# Altium PCB BaseBoard.PcbDoc (part 3 of 3)
Units mil, origin at the board's own origin, x right, y up, seen from the top; angles counter-clockwise.
Board outline 12520.21 x 6221 mil, 4 copper layers (Top Layer, GND, Power, Bottom Layer), stack 30.634 mil thick; 237 components, 165 nets, 882 pads, 366 vias.
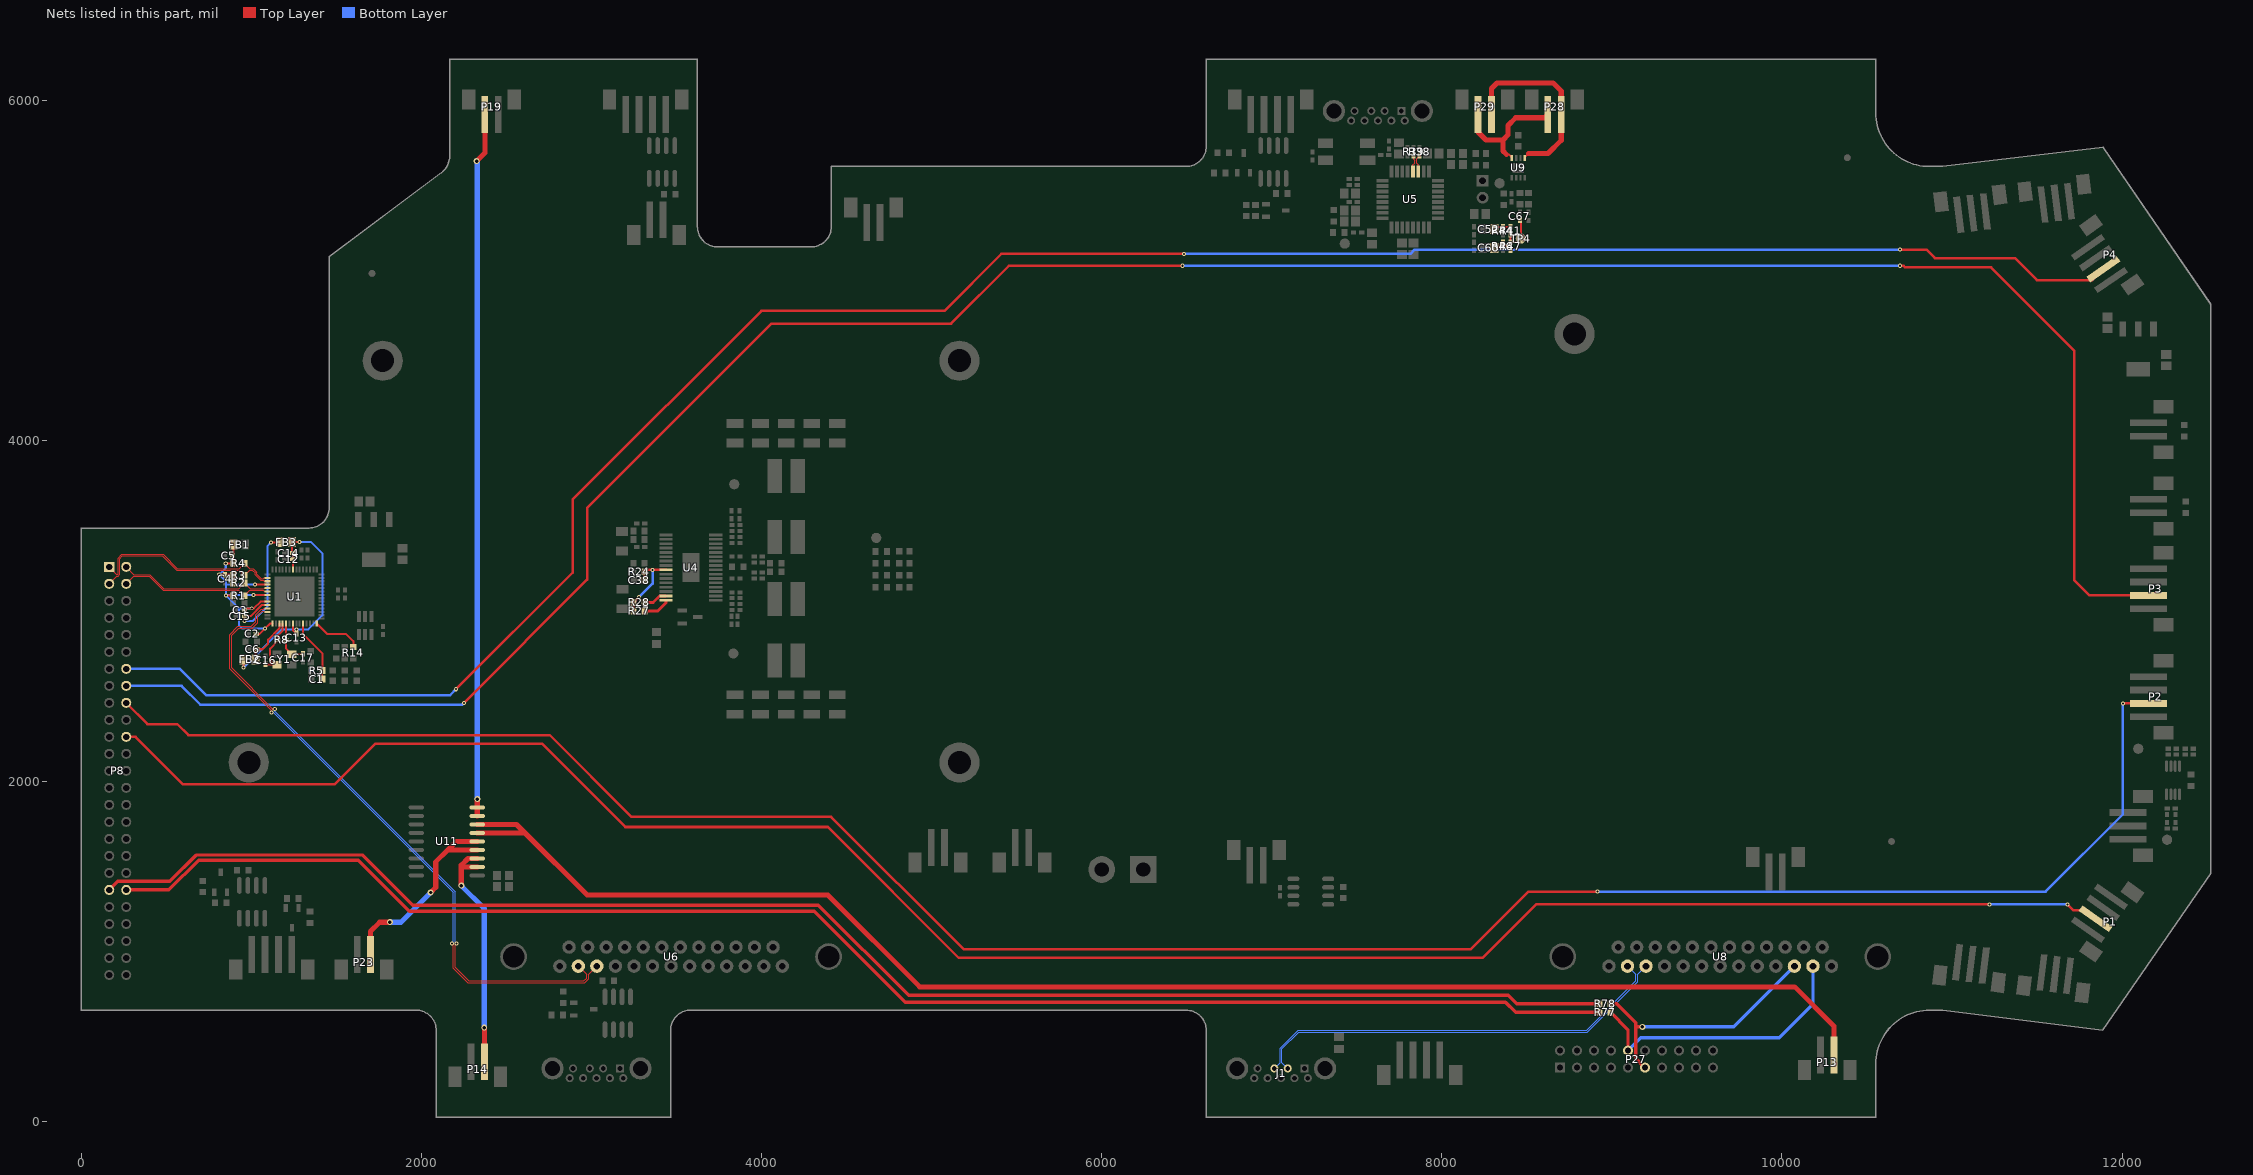
[diagram p5: the nets of this part, all layers, seen from the top]

## Via types
v1: diameter 24, hole 12, Top Layer to Bottom Layer, tented both sides, 231 vias
v2: diameter 35, hole 20, Top Layer to Bottom Layer, tented both sides, 120 vias
v3: diameter 50, hole 30, Top Layer to Bottom Layer, tented both sides, 12 vias
v4: diameter 30, hole 12, Top Layer to Bottom Layer, tented both sides, 2 vias
v5: diameter 20, hole 12, Top Layer to Bottom Layer, tented both sides, 1 vias

## Nets (pads, with @x,y where several pads share a name; then routed paths per layer and width w, separated by ;. In a path a pad name is that pad's centre, name@x,y a point inside that pad or via, vN(x,y) a via of type N, cw(c..) or ccw(c..) an arc to the next point about the centre after c; other vN are vias at no path point) (continued)
NRESET: C1.2 R5.1 U1.24 | length 374.3
  Top Layer w12: U1.24@1305,2926.5 1305,2864 1418.46,2750.54 R5.1@1418.46,2650 1416.5,2648.03 C1.2@1416.5,2600
OUT: C67.2 R41.2 R47.2 TP4.0 | length 220.1
  Top Layer w12: R41.2@8405,5211.38 R47.2@8405,5168.62 8443.62,5168.62 TP4.0@8465,5190 8465,5291.38 C67.2@8460,5296.38
OUTL: C60.2 R46.1 R47.1 | length 131.3
  Top Layer w12: C60.2@8308.46,5135 8326.38,5135 R46.1@8360,5168.62 8360,5166.38 R47.1@8405,5121.38
OUTR: C52.2 R41.1 R44.2 | length 82.9
  Top Layer w12: C52.2@8322.09,5258.62 R44.2@8360,5258.62 R41.1@8405,5258.62
PGEC: P27.10 R77.2 U8.12 | length 1691.9
  Top Layer w20: R77.2@8993.46,640 9095,538.46 P27.10@9095,415
  Bottom Layer w20: P27.10@9095,415 9170,490 9985,490 10182.68,687.68 U8.12@10182.68,911.9
PGED: P27.11 R78.2 U8.11 | length 1561.3
  Top Layer w20: R78.2@8993.46,690 9030,690 9140,580 9140,555 ; v2(9180,555) 9140,555 ; P27.11@9195,315 9140,370 9140,555
  Bottom Layer w20: v2(9180,555) 9716.72,555 U8.11@10073.62,911.9
PGOOD1: R28.1 U4.15 | length 141.1
  Top Layer w16: R28.1@3313.46,3050 3363,3050 3388.5,3075.5 3388.5,3075.63 3401.53,3088.66 U4.15@3438.5,3088.66
PGOOD2: R27.1 U4.16 | length 159.7
  Top Layer w16: R27.1@3313.46,3000 3390,3000 3438.5,3048.5 U4.16@3438.5,3063.07
RX_N: P8.2 R2.1 U1.5 | length 915.2
  Top Layer w4.96: P8.2@265,3260 310.52,3214.48 403.71,3214.48 486.19,3132 923.98,3132 926.82,3131.98 R2.1@959.84,3165 995.36,3129.48 1070.5,3129.48 1076.02,3135 U1.5@1096.5,3135
RX_P: P8.4 R1.1 U1.6 | length 913.1
  Top Layer w4.96: P8.4@265,3160 310.52,3205.52 400,3205.52 482.48,3123.04 920.27,3123.04 ; 920.29,3123.02 926.82,3123.02 R1.1@959.84,3090 990.36,3120.52 1070.5,3120.52 1076.02,3115 U1.6@1096.5,3115
SPD: R14.2 U1.28 | length 291.8
  Top Layer w12: U1.28@1385,2926.5 1445.5,2866 1556,2866 1600,2822 R14.2@1600,2788.46
SPKR+: P28.1 P29.1 U9.5 | length 1140.9
  Top Layer w12: U9.5@8488.39,5668.07 8510.31,5690
  Top Layer w30: P29.1@8292.48,5920 8292.48,6072.48 8325,6105 8655,6105 8702.48,6057.52 P28.1@8702.48,5920 8702.48,5767.48 8625,5690 8510.31,5690
SPKR-: P28.2 P29.2 U9.8 | length 759.2
  Top Layer w12: 8380,5685 8394.69,5685 U9.8@8411.61,5668.07
  Top Layer w30: P29.2@8213.74,5920 8213.74,5816.26 8260,5770 8360,5770 ; 8380,5685 8360,5705 8360,5770 ; P28.2@8623.74,5920 8603.74,5900 8435,5900 8390,5855 8390,5800 8360,5770
TRIG5: P1.2 P8.22 | length 12482.6
  Top Layer w15: P8.22@265,2260 320,2260 600,1980 1490,1980 1730,2220 2710,2220 3200,1730 4390,1730 5160,960 8240,960 8555,1275 v1(11220,1275) ; v1(11680,1275) 11715,1240 11795.34,1240 P1.2@11844.84,1190.5
  Bottom Layer w15: v1(11220,1275) v1(11680,1275)
TRIG6: P2.2 P8.18 | length 13470.4
  Top Layer w15: P8.18@265,2460 390,2335 565,2335 630,2270 2755,2270 3235,1790 4410,1790 5190,1010 8170,1010 8510,1350 v1(8915,1350) ; v1(12005,2455) 12006.26,2456.26 P2.2@12155,2456.26
  Bottom Layer w15: v1(8915,1350) 11550,1350 12005,1805 v1(12005,2455)
TRIG7: P3.2 P8.16 | length 14844.1
  Top Layer w15: v1(2250,2460) 2975,3185 2975,3605 4060,4690 5115,4690 5455,5030 v1(6475,5030) ; v1(10695,5030) 10715,5030 10725,5020 11230,5020 11720,4530 11720,3180 11808.74,3091.26 P3.2@12155,3091.26
  Bottom Layer w15: P8.16@265,2560 590,2560 700,2450 2240,2450 v1(2250,2460) ; v1(6475,5030) v1(10695,5030)
TRIG8: P4.2 P8.14 | length 13128.2
  Top Layer w15: v1(2205,2540) 2890,3225 2890,3655 4000,4765 5075,4765 5410,5100 v1(6485,5100) ; v1(10695,5125) 10850,5125 10900,5075 11370,5075 11500,4945 11824.66,4945 P4.2@11890.16,5010.5
  Bottom Layer w15: P8.14@265,2660 580,2660 735,2505 2170,2505 v1(2205,2540) ; v1(6485,5100) 7815,5100 7840,5125 v1(10695,5125)
TX_N: P8.1 R4.1 U1.2 | length 1147
  Top Layer w4.96: P8.1@165,3260 210.52,3214.48 213,3214.48 217,3218.48 217,3310.71 238.91,3332.62 242.62,3332.62 481.38,3332.62 564.52,3249.48 929.32,3249.48 R4.1@959.84,3280 990.36,3249.48 1010.71,3249.48 1032.96,3227.23 1032.96,3215.52 1059,3189.48 1070.5,3189.48 1076.02,3195 U1.2@1096.5,3195
TX_P: P8.3 R3.1 U1.3 | length 1147
  Top Layer w4.96: P8.3@165,3160 210.52,3205.52 216.71,3205.52 225.96,3214.77 225.96,3307 242.62,3323.66 477.66,3323.66 560.81,3240.52 929.32,3240.52 R3.1@959.84,3210 990.36,3240.52 1007,3240.52 1024,3223.52 1024,3211.81 1055.29,3180.52 1070.5,3180.52 1076.02,3175 U1.3@1096.5,3175
UART_RX: P8.39 R78.1 | length 9208.9
  Top Layer w20: P8.39@165,1360 215,1410 520,1410 675,1565 1655,1565 1950,1270 4335,1270 4865,740 8390,740 8440,690 R78.1@8926.54,690
UART_TX: P8.40 R77.1 | length 9104.7
  Top Layer w20: P8.40@265,1360 515,1360 690,1535 1630,1535 1930,1235 4310,1235 4845,700 8375,700 8435,640 R77.1@8926.54,640
USB0_N: J1.2 U8.3 | length 2496.2
  Bottom Layer w6.98: J1.2@7094.37,310 7060.49,343.88 7060.49,425 7159.51,524.02 8855.71,524.02 9152.14,820.45 9152.14,862.86 U8.3@9201.18,911.9
USB0_P: J1.3 U8.2 | length 2496.2
  Bottom Layer w6.98: J1.3@7015.63,310 7049.51,343.88 7049.51,429.55 7154.96,535 8851.16,535 9141.16,825 9141.16,862.86 U8.2@9092.13,911.9
USB_N: U1.11 U6.3 | length 3766.2
  Top Layer w6.98: U1.11@1096.5,3015 1075.01,3015 1070.5,3010.49 1059.45,3010.49 1026.02,2977.06 1026.02,2936 1000.02,2910 921.45,2910 873.02,2861.57 873.02,2661.45 1119.74,2414.74 1119.74,2404.74 v1(1119.07,2404.07) ; v1(2181.01,1045) 2189.02,1036.99 2189.02,899.45 2274.45,814.02 2959.81,814.02 2983.24,837.45 2983.24,862.86 U6.3@3032.28,911.9
  Bottom Layer w6.98: v1(1119.07,2404.07) 1130.4,2404.07 2189.02,1345.45 2189.02,1053.01 v1(2181.01,1045)
USB_P: U1.12 U6.2 | length 3711.6
  Top Layer w6.98: U1.12@1096.5,2995 1075.01,2995 1070.5,2999.51 1064,2999.51 1037,2972.51 1037,2931.45 1004.57,2899.02 926,2899.02 884,2857.02 884,2666 1127.5,2422.5 1137.5,2422.5 v1(1138.16,2423.16) ; v1(2208.01,1045) 2200,1036.99 2200,904 2279,825 2955.26,825 2972.26,842 2972.26,862.86 U6.2@2923.23,911.9
  Bottom Layer w6.98: v1(1138.16,2423.16) 1138.16,2411.84 2200,1350 2200,1053.01 v1(2208.01,1045)
V7V: C38.2 R24.2 R27.2 R28.2 U4.9 | length 471
  Top Layer w16: R27.2@3246.54,3000 R28.2@3246.54,3050 3279.54,3083 v1(3281,3083) ; C38.2@3311.5,3180 3311.5,3228.03 R24.2@3313.46,3230 3325.67,3242.2 v1(3360,3242.2) U4.9@3438.5,3242.2
  Bottom Layer w16: v1(3281,3083) 3360,3162 v1(3360,3242.2)
VDD33A: C2.2 C3.2 C4.2 C5.2 FB1.2 R1.2 R2.2 R3.2 R4.2 U1.4 U1.7 U1.9 U1.15 | length 1747.5
  Top Layer w12: v1(811.62,3213.62) C4.2@846.38,3213.62 889.29,3213.62 R3.2@892.91,3210 R2.2@892.91,3165 ; v1(850,3280) R4.2@892.91,3280 892.91,3327.91 894.96,3329.96 FB1.2@894.96,3390 ; v1(852,3090) R1.2@892.91,3090 ; C3.2@960,3005 970,3015 v5(1003,3015) 1015,3015 1055,3055 U1.9@1096.5,3055 ; v1(1014,3095) U1.7@1096.5,3095 ; v1(1021,3155) U1.4@1096.5,3155 ; C2.2@1028.62,2865 1049,2865 v1(1080,2896) 1110.5,2926.5 U1.15@1125,2926.5
  Bottom Layer w12: v1(850,3280) 850,3252 v1(811.62,3213.62) 852,3173.24 v1(852,3090) 927,3015 ; 855,3155 v1(1021,3155) ; v1@857,3095 v1(1014,3095) ; v5(1003,3015) 927,3015 ; v1(1080,2896) 947,2896 927,2916 927,3015
VDDCORE: C12.2 C13.2 C14.2 FB2.1 FB3.1 U1.21 U1.50 | length 1462.7
  Top Layer w12: v1(954.96,2667.96) FB2.1@954.96,2715 ; C14.2@1243.62,3340 1240.04,3343.58 FB3.1@1240.04,3405 v1(1283,3405) ; U1.21@1245,2926.5 1245,2887.62 C13.2@1266,2866.62 v1(1266,2892) ; U1.50@1245,3243.5 C14.2@1245,3338.62
  Bottom Layer w12: v1(954.96,2667.96) 1179,2892 v1(1266,2892) 1336,2892 1418,2974 1418,3339 1352,3405 v1(1283,3405)
VDDPLL: C15.2 FB3.2 U1.10 | length 801.9
  Top Layer w12: v1(960,2941) C15.2@960,2970 997,2970 1062,3035 U1.10@1096.5,3035 ; v1(1116,3403) 1167.96,3403 FB3.2@1169.96,3405
  Bottom Layer w12: v1(960,2941) 1008,2941 1096,3029 1096,3383 v1(1116,3403)
VDDUSBPLL: C6.2 FB2.2 U1.17 | length 289
  Top Layer w12: FB2.2@1025.04,2715 1025.04,2766.42 C6.2@1033.62,2775 1067,2775 1099,2807 1099,2831 1165,2897 U1.17@1165,2926.5
XI: C16.2 R8.1 U1.18 Y1.1 | length 337.1
  Top Layer w12: C16.2@1085,2686.38 1136.62,2686.38 1111,2712 1111,2779 1156.38,2824.38 R8.1@1156.38,2830 1156.38,2854.38 1185,2883 U1.18@1185,2926.5 ; Y1.1@1148.82,2686.38 Y1.1@1151.69,2683.5
XO: C17.2 R8.2 U1.19 Y1.3 | length 262.5
  Top Layer w12: U1.19@1205,2926.5 1205,2831.38 R8.2@1203.62,2830 1203.62,2781.18 Y1.3@1238.31,2746.5 1302.87,2746.5 C17.2@1305,2748.62
~AUDIO_USB_N: R38.2 U5.3 | length 104.1
  Top Layer w6.98: U5.3@7862.24,5584 7862.24,5622.49 7851.99,5632.75 7851.99,5656.63 7853.3,5657.94 7853.3,5659.68 R38.2@7870,5676.38
~AUDIO_USB_P: R39.2 U5.4 | length 99.1
  Top Layer w6.98: U5.4@7830.75,5584 7830.75,5622.49 7841.01,5632.75 7841.01,5651.13 7835,5657.14 R39.2@7835,5676.38
~LED1: P19.2 U11.17 U11.18 | length 4146.9
  Top Layer w30: v2(2325,5645) 2373.74,5693.74 P19.2@2373.74,5920 ; U11.17@2329.13,1795 U11.18@2329.13,1845 v2(2329.13,1894.13)
  Bottom Layer w30: v2(2325,5645) 2329.13,5640.87 v2(2329.13,1894.13)
~LED2: P13.2 U11.15 U11.16 | length 8918.1
  Top Layer w30: U11.15@2329.13,1695 2610,1695 ; U11.16@2329.13,1745 2560,1745 2610,1695 ; P13.2@10306.26,390 10306.26,558.74 10075,790 4930,790 4390,1330 2975,1330 2610,1695
~LED3: P23.2 U11.13 U11.14 | length 1245.1
  Top Layer w30: P23.2@1701.26,980 1701.26,1116.26 1755,1170 v2(1815,1170) ; v2(2055,1345) 2085,1375 2085,1525 2155,1595 ; U11.13@2329.13,1595 2155,1595 ; U11.14@2329.13,1645 2205,1645 2155,1595
  Bottom Layer w30: v2(1815,1170) 1880,1170 v2(2055,1345)
~LED4: P14.2 U11.11 U11.12 | length 1406.3
  Top Layer w30: v2(2235,1385) 2235,1505 2275,1545 U11.12@2329.13,1545 ; 2245,1495 U11.11@2329.13,1495 ; v2(2370,550) 2371.26,548.74 P14.2@2371.26,350
  Bottom Layer w30: v2(2235,1385) 2370,1250 v2(2370,550)
pads on no net: F1. F2. F3. F4. F5. F6. J1.5 J1.6 J1.8 J1.9 J1.S1 J1.S2 J2.1 J2.5 J2.6 J2.8 J2.9 J2.S1 J2.S2 J3.2 J3.3 J3.5 J3.6 J3.8 J3.9 J3.S1 J3.S2 P1.0 P2.0 P3.0 P4.0 P5.0 P6.0 P7.0 P10.0 P12.0 P13.0 P14.0 P15.0 P16.0 P17.0 P18.0 P19.0 P20.0 P21.0 P22.0 P23.0 P24.0 P24.3 P25.0 P25.3 P26.0 P27.13 P27.14 P27.15 P27.16 P28.0 P29.0 P30.0 P31.0 U1.1 U1.14 U1.22 U1.23 U1.34 U1.36 U1.37 U1.38 U1.39 U1.40 U1.41 U1.42 U1.43 U1.44 U1.45 U1.46 U1.47 U1.53 U1.54 U1.55 U1.56 U2.5 U6.5 U6.7 U6.11 U6.12 U6.13 U6.14 U6.16 U6.17 U6.26 U6.27 U8.5 U8.7 U8.16 U8.17 U8.26 U8.27 Y1.2 Y1.4

## Polygon pours and split planes (outlines as drawn)
GND on Bottom Layer "GND_L04_P001" (solid, remove dead copper, pour order 1): 1.2,652.58 cw(c1.2,652.85) 0.93,652.85 0.93,3487.49 cw(c1.2,3487.49) 1.2,3487.76 1339.78,3487.76 ccw(c1339.78,3605.6) 1457.63,3605.6 cw(c1457.89,3605.6) 1457.63,3605.61 1457.63,5081.98 cw(c1457.89,5081.98) 1457.73,5082.19 2119.15,5578.25 ccw(c2048.44,5672.53) 2166.29,5672.53 2166.29,6243.4 cw(c2166.55,6243.4) 2166.55,6243.66 3623.25,6243.66 cw(c3623.25,6243.4) 3623.51,6243.4 3623.51,5259.14 ccw(c3741.36,5259.14) 3741.36,5141.3 cw(c3741.36,5141.03) 3741.36,5141.3 4292.54,5141.3 ccw(c4292.54,5259.14) 4410.38,5259.14 4410.38,5613.48 cw(c4410.65,5613.48) 4410.65,5613.74 6497.26,5613.74 ccw(c6497.26,5731.59) 6615.11,5731.59 6615.11,6243.4 cw(c6615.37,6243.4) 6615.37,6243.66 10552.38,6243.66 cw(c10552.38,6243.4) 10552.65,6243.4 10552.65,5928.44 cw(c10552.38,5928.44) 10552.65,5928.43 ccw(c10867.34,5928.44) 10867.34,5613.74 cw(c10867.34,5613.21) 10867.34,5613.74 ccw(c10867.34,5613.21) 10867.34,5613.74 10946.07,5613.74 11888.66,5726.61 11888.67,5726.62 ccw(c11888.7,5726.35) 11888.66,5726.61 11888.67,5726.62 cw(c11888.69,5726.35) 11888.91,5726.5 12521.1,4803.69 cw(c12520.88,4803.54) 12521.15,4803.54 12521.15,1457.09 cw(c12520.88,1457.09) 12521.1,1456.94 11886.28,535.94 cw(c11886.06,536.09) 11886.02,535.83 10946.06,652.58 10867.34,652.58 ccw(c10867.34,653.11) 10867.34,652.58 cw(c10867.34,653.11) 10867.34,652.58 ccw(c10867.34,337.88) 10552.65,337.89 ccw(c10868.36,337.89) 10552.65,337.88 10552.65,22.92 cw(c10552.38,22.92) 10552.38,22.66 6615.37,22.66 cw(c6615.37,22.92) 6615.11,22.92 6615.11,534.73 ccw(c6615.64,534.73) 6615.11,534.73 cw(c6615.64,534.73) 6615.11,534.73 ccw(c6497.26,534.73) 6497.26,652.58 3583.88,652.58 ccw(c3583.88,534.73) 3466.03,534.73 cw(c3465.5,534.73) 3466.03,534.73 ccw(c3465.5,534.73) 3466.03,534.73 3466.03,22.92 cw(c3465.77,22.92) 3465.77,22.66 2087.81,22.66 cw(c2087.81,22.92) 2087.55,22.92 2087.55,534.73 ccw(c2087.81,534.73) 2087.55,534.73 ccw(c1969.7,534.73) 1969.7,652.58
GND on Top Layer "GND_L01_P000" (solid, remove dead copper, pour order 0): 1.2,652.58 cw(c1.2,652.85) 0.93,652.85 0.93,3487.49 cw(c1.2,3487.49) 1.2,3487.76 1339.78,3487.76 ccw(c1339.78,3605.6) 1457.63,3605.6 cw(c1457.89,3605.6) 1457.63,3605.61 1457.63,5081.98 cw(c1457.89,5081.98) 1457.73,5082.19 2119.15,5578.25 ccw(c2048.44,5672.53) 2166.29,5672.53 2166.29,6243.4 cw(c2166.55,6243.4) 2166.55,6243.66 3623.25,6243.66 cw(c3623.25,6243.4) 3623.51,6243.4 3623.51,5259.14 ccw(c3741.36,5259.14) 3741.36,5141.3 cw(c3741.36,5141.03) 3741.36,5141.3 4292.54,5141.3 ccw(c4292.54,5259.14) 4410.38,5259.14 4410.38,5613.48 cw(c4410.65,5613.48) 4410.65,5613.74 6497.26,5613.74 ccw(c6497.26,5731.59) 6615.11,5731.59 6615.11,6243.4 cw(c6615.37,6243.4) 6615.37,6243.66 10552.38,6243.66 cw(c10552.38,6243.4) 10552.65,6243.4 10552.65,5928.44 cw(c10552.38,5928.44) 10552.65,5928.43 ccw(c10867.34,5928.44) 10867.34,5613.74 cw(c10867.34,5613.21) 10867.34,5613.74 ccw(c10867.34,5613.21) 10867.34,5613.74 10946.07,5613.74 11888.66,5726.61 11888.67,5726.62 ccw(c11888.7,5726.35) 11888.66,5726.61 11888.67,5726.62 cw(c11888.69,5726.35) 11888.91,5726.5 12521.1,4803.69 cw(c12520.88,4803.54) 12521.15,4803.54 12521.15,1457.09 cw(c12520.88,1457.09) 12521.1,1456.94 11886.28,535.94 cw(c11886.06,536.09) 11886.02,535.83 10946.06,652.58 10867.34,652.58 ccw(c10867.34,653.11) 10867.34,652.58 cw(c10867.34,653.11) 10867.34,652.58 ccw(c10867.34,337.88) 10552.65,337.89 ccw(c10868.36,337.89) 10552.65,337.88 10552.65,22.92 cw(c10552.38,22.92) 10552.38,22.66 6615.37,22.66 cw(c6615.37,22.92) 6615.11,22.92 6615.11,534.73 ccw(c6615.64,534.73) 6615.11,534.73 cw(c6615.64,534.73) 6615.11,534.73 ccw(c6497.26,534.73) 6497.26,652.58 3583.88,652.58 ccw(c3583.88,534.73) 3466.03,534.73 cw(c3465.5,534.73) 3466.03,534.73 ccw(c3465.5,534.73) 3466.03,534.73 3466.03,22.92 cw(c3465.77,22.92) 3465.77,22.66 2087.81,22.66 cw(c2087.81,22.92) 2087.55,22.92 2087.55,534.73 ccw(c2087.81,534.73) 2087.55,534.73 ccw(c1969.7,534.73) 1969.7,652.58
GND on GND (split plane): 455 vertices, not listed, extent 21.03,42.76 12501.05,6223.56
AGND on Power (split plane): 4178.87,3548.61 4184.65,3547.46 4190.22,3545.57 4195.5,3542.97 4200.39,3539.7 4204.82,3535.82 4208.7,3531.39 4211.97,3526.5 4214.57,3521.22 4216.46,3515.65 4217.61,3509.87 4217.97,3504.36 4217.9,3504 4217.9,2893 4217.97,2892.64 4217.61,2887.13 4216.46,2881.35 4214.57,2875.78 4211.97,2870.5 4208.7,2865.61 4204.82,2861.18 4200.39,2857.3 4195.5,2854.03 4193.8,2853.2 4173,2853.2 4171.05,2852.81 4169.4,2851.7 4168.29,2850.05 4167.9,2848.1 3283.56,2848.1 3279.13,2848.39 3273.35,2849.54 3267.78,2851.43 3262.5,2854.03 3257.61,2857.3 3253.18,2861.18 3249.3,2865.61 3246.03,2870.5 3243.43,2875.78 3241.54,2881.35 3240.39,2887.13 3240.1,2891.56 3240.1,2893 3240.1,3504 3240.03,3504.36 3240.39,3509.87 3241.54,3515.65 3243.43,3521.22 3246.03,3526.5 3249.3,3531.39 3253.18,3535.82 3257.61,3539.7 3262.5,3542.97 3267.78,3545.57 3273.35,3547.46 3279.13,3548.61 3283.56,3548.9 4173,3548.9 4173.36,3548.97
AGND on Power (split plane): 3241.93,2858.65 3246.05,2854.05 3250.65,2849.93 3255.69,2846.36 3256.15,2846.11 3253.43,2845.18 3248.96,2842.98 3244.82,2840.21 3241.07,2836.93 3240.1,2835.82 3240.1,2861.24
16V on Power (split plane): 247 vertices, not listed, extent 2675.03,255.03 10359.97,5619.97
5V on Power (split plane): 1048 vertices, not listed, extent 21.03,42.76 12501.05,6223.56
3V3 on Power (split plane): 2065.87,3482.37 2071.65,3481.22 2077.22,3479.33 2082.5,3476.72 2087.39,3473.45 2091.82,3469.57 2095.7,3465.15 2098.97,3460.25 2101.57,3454.98 2103.46,3449.4 2104.61,3443.63 2104.97,3438.11 2104.9,3437.76 2104.9,2565 2104.97,2564.64 2104.61,2559.13 2103.46,2553.35 2101.57,2547.78 2098.97,2542.5 2095.7,2537.61 2091.82,2533.18 2087.39,2529.3 2082.5,2526.03 2077.22,2523.43 2071.65,2521.54 2065.87,2520.39 2060.36,2520.03 2060,2520.1 895,2520.1 894.64,2520.03 889.13,2520.39 883.35,2521.54 877.78,2523.43 872.5,2526.03 867.61,2529.3 863.18,2533.18 859.3,2537.61 856.03,2542.5 853.43,2547.78 851.54,2553.35 850.39,2559.13 850.03,2564.64 850.1,2565 850.1,3467.66 1339.78,3467.66 1340.11,3467.69 1340.44,3467.67 1348.15,3467.92 1349.13,3468.05 1350.11,3468.08 1365.4,3470.1 1366.68,3470.39 1367.97,3470.61 1382.86,3474.6 1384.09,3475.06 1385.35,3475.44 1399.59,3481.34 1400.75,3481.96 1401.95,3482.5 1402.22,3482.66 2060,3482.66 2060.36,3482.73
12V on Power (split plane): 682 vertices, not listed, extent 930.03,42.76 12264.97,5499.97

## Keep-outs
Keep-Out Layer:
  circle w0.5: c11372.46,1814.26 r236.22
  circle w0.5: c11372.46,4412.69 r236.22
  lines w0.5: 1.2,652.85 40.57,652.85 387.03,652.85 1969.7,652.85 cw(c1969.7,534.73) 2087.81,534.73 2087.81,22.92 3465.77,22.92 3465.77,534.73 cw(c3583.88,534.73) 3583.88,652.85 6497.26,652.85 cw(c6497.26,534.73) 6615.37,534.73 6615.37,22.92 10552.38,22.92 10552.38,337.88 cw(c10867.34,337.88) 10867.34,652.85 10946.08,652.85 11886.06,536.09 12520.88,1457.09 12520.88,4803.54 11888.69,5726.35 10946.08,5613.48 10867.34,5613.48 cw(c10867.34,5928.44) 10552.38,5928.44 10552.38,6243.4 6615.37,6243.4 6615.37,5731.59 cw(c6497.26,5731.59) 6497.26,5613.48 4410.65,5613.48 4410.65,5259.14 cw(c4292.54,5259.14) 4292.54,5141.03 3741.36,5141.03 cw(c3741.36,5259.14) 3623.25,5259.14 3623.25,6243.4 2166.55,6243.4 2166.55,5672.53 cw(c2048.44,5672.53) 2119.31,5578.04 1457.89,5081.98 1457.89,3605.6 cw(c1339.78,3605.6) 1339.78,3487.49 1.2,3487.49 1.2,652.85 ; 5827.97,1873.32 ccw(c5946.08,1873.32) 5946.08,1755.21 7277.97,1755.21 ccw(c7592.93,1755.21) 7907.89,1755.21 10827.99,1755.21 ccw(c10827.99,1873.32) 10934.78,1822.88 cw(c11041.58,1772.44) 11003.72,1884.32 ccw(c10915.37,2145.36) 11190.96,2143.65 11190.96,4081.33 ccw(c10915.37,4079.62) 11019.55,4334.76 cw(c11064.19,4444.11) 10946.08,4444.11 10946.08,4786.7 ccw(c10827.97,4786.7) 10827.97,4904.81 9292.54,4904.81 ccw(c9292.54,4786.7) 9174.43,4786.7 9174.43,4432.37 8387.03,4432.37 8387.03,4786.7 ccw(c8268.92,4786.7) 8268.92,4904.81 5946.08,4904.81 ccw(c5946.08,4786.7) 5827.97,4786.7 5827.97,1873.32

## Other copper
Top Layer:
  rectangle net 5V: 3360,65 3425,840
  rectangle net 5V: 3125,675 3425,840
  rectangle net GND: 3795,4080 4630,4300
  rectangle net GND: 3795,2285 4505,2420
  rectangle net 3V3: 1650,3165 2055,3325
  rectangle net 3V3: 1700,3305 1740,3580
  rectangle net 16V: 3040,5300 3342.52,5595
  rectangle net 16V: 3215,5290 3360,5405
  rectangle net 16V: 3215,5485 3455,5600
  rectangle net NetP21_1: 3325,5680 3510,5780
  rectangle net NetP21_1: 3340,5690 3450,6030
  rectangle net NetP25_2: 6915,5665 7110,5785
  rectangle net NetP25_2: 7015,5680 7050,6030
  rectangle net 12V: 6915,5425 7050,5595
  rectangle net NetP24_2: 1055,870 1110,1245
  rectangle net NetP24_2: 905,1135 1110,1250
  rectangle net 12V: 965,1335 1095,1495
  rectangle net NetJ3_1: 3135,285 3195,390
  rectangle net NetJ3_1: 3225,480 3265,595
  rectangle net NetJ3_1: 3065,350 3225,595
  rectangle net 5V: 3793,3573 3882,3700
  rectangle net 5V: 3793,3687 4633,4014
  rectangle net 12V: 3794,2798 3878,2937
  rectangle net 12V: 3793,2481 4495,2816
  rectangle net 16V: 3020,3098 3220,3425
  rectangle net 16V: 3148,3102 3394,3155
  rectangle net 16V: 3340,3102 3394,3224
  rectangle net 16V: 3340,3155 3480,3224
  rectangle net 16V: 3144,3399 3265,3429
  rectangle net 16V: 3144,3352 3217,3429
  rectangle net 16V: 3229,3399 3265,3490
  rectangle net 16V: 3144,3311 3477,3352
  rectangle net NetC41_2: 4037,2968 4260,3167
  rectangle net NetC41_2: 3693,3128 4256,3173
  rectangle net NetC23_2: 4031,3347 4252,3538
  rectangle net NetC23_2: 3692,3335 4255,3378
Power (plane layer: these items are gaps in the copper):
  lines w10: 850,3695 ccw(c850,3690) 845,3690 845,2565 ccw(c895,2565) 895,2515 2060,2515 ccw(c2060,2565) 2110,2565 2110,3437.76 ccw(c2060,3437.76) 2060,3487.76 1230,3487.76 ; 2665,1535 975,1535 ccw(c975,1485) 925,1485 925,1115 ccw(c975,1115) 975,1065 2170,1065 cw(c2170,1015) 2220,1015 2220,490 ccw(c2270,490) 2270,440 3820,440 cw(c3820,430) 3830,430 ; 3235,2810 cw(c3268,2810) 3268,2843 3285,2843 ; 4173,2848.1 4575,2848.1 ccw(c4575,2898.1) 4625,2898.1 4625,5155 cw(c4675,5155) 4675,5205 6775,5205 ccw(c6775,5255) 6825,5255 6825,5455 cw(c6875,5455) 6875,5505 7035,5505 cw(c7035,5455) 7085,5455 7085,4815 ; 6895,1850 6895,1315 ccw(c6945,1315) 6945,1265 11745,1265 ccw(c11745,1315) 11795,1315 11795,1860 cw(c11845,1860) 11845,1910 12220,1910 cw(c12220,1860) 12270,1860 12270,1740 cw(c12220,1740) 12220,1690 12045,1690 ccw(c12045,1640) 11995,1640 11995,1125 cw(c11945,1125) 11945,1075 10735,1075 ccw(c10735,1025) 10685,1025 10685,505 ; 10140,1145 10315,1145 ; 10295,715 10315,715 ; 3235,2893 ccw(c3285,2893) 3285,2843 ; 3235,2893 3235,1305 ccw(c3285,1305) 3285,1255 3370,1255 5825,1255 ccw(c5825,1305) 5875,1305 5875,1560 cw(c5925,1560) 5925,1610 6440,1610 cw(c6440,1560) 6490,1560 6490,1195 ccw(c6540,1195) 6540,1145 10315,1145 ; 3235,2893 3235,3504 cw(c3285,3504) 3285,3554 ; 3285,2843 4173,2843 ccw(c4173,2893) 4223,2893 4223,3504 ccw(c4173,3504) 4173,3554 3285,3554 ; 3285,3554 3280,3554 cw(c3280,3604) 3230,3604 3230,3610 3230,5575 ccw(c3180,5575) 3180,5625 2995,5625 2720,5625 ccw(c2720,5575) 2670,5575 2670,850 ccw(c2720,850) 2720,800 8570,800 cw(c8570,750) 8620,750 8620,300 ccw(c8670,300) 8670,250 8800,250 ccw(c8800,300) 8850,300 8850,665 cw(c8900,665) 8900,715 10315,715 ; 10315,715 ccw(c10315,765) 10365,765 10365,1095 ccw(c10315,1095) 10315,1145

## Silkscreen, mask and mechanical layers (free items; w line width, h text height)
Top Overlay:
  rectangle: 2005,3865 3565,4915
  lines w5: 7715,5785 7715,5650 7890,5650 7890,5780 7950,5780 7950,5805 8105,5805 8105,5910 7965,5910 ; 8340,5365 8755,5365
  lines w10: 1180,3285 1580,3285 1580,3380 ; 3235,3345 3350,3345 3350,3720 ; 3640,2655 3640,2920 3800,2920 3800,3140 3885,3140 ; 3655,3830 3655,3570 3795,3570 3795,3375 3890,3375 ; 3805,3170 4035,3170 4035,3190 4260,3190 4260,3150 4520,3150 4580,3150 4580,3335 4510,3335 4255,3335 4255,3315 4030,3315 4030,3345 3805,3345 ; 8755,5365 8755,5485
  text "LED1" at 2385,6120 h30 r90
  text "12V" at 2470,6120 h30 r90
  text "GND" at 3215,6120 h30 r90
  text "GND" at 3295,6120 h30 r90
  text "16V" at 3380,6115 h30 r90
  text "16V" at 3450,6115 h30 r90
  text "NC" at 6975,6115 h30 r90
  text "OUT" at 7050,6115 h30 r90
  text "GND" at 7130,6115 h30 r90
  text "SPKR-" at 8230,6110 h30 r90
  text "SPKR+" at 8310,6110 h30 r90
  text "SPKR-" at 8640,6110 h30 r90
  text "PWM" at 6885,6105 h30 r90
  text "SPKR+" at 8715,6105 h30 r90
  text "AUDIO CODEC" at 7420,6090 h30
  text "GND" at 11690,5605 h30 r90
  text "3V3" at 11615,5590 h30 r90
  text "INF5" at 11515,5580 h30 r90
  text "GND" at 11210,5550 h30 r90
  text "3V3" at 11115,5535 h30 r90
  text "INF6" at 11020,5520 h30 r90
  text "GND" at 4635,5485 h30 r90
  text "12V" at 4715,5485 h30 r90
  text "GND" at 12005,5225 h30
  text "ECHO8" at 12035,5170 h30
  text "TRIG8" at 12070,5090 h30
  text "16V" at 3365,5030 h30 r90
  text "5V" at 12125,5020 h30
  text "ON/OFF" at 3450,4960 h30 r90
  text "Version: 1.00 20181030" at 1995,4940 h60
  text "GND" at 11900,4090 h30
  text "BUTTON3" at 11815,4010 h30
  text "5V" at 3820,3660 h30
  text "GND" at 11910,3640 h30
  text "BUTTON4" at 11785,3560 h30
  text "GND" at 4550,3415 h30
  text "5V" at 4920,3330 h30
  text "3.3V" at 4915,3260 h30
  text "GND" at 12355,3225 h30
  text "16V" at 4915,3190 h30
  text "ECHO7" at 12355,3155 h30
  text "12V" at 4915,3120 h30
  text "TRIG7" at 12350,3075 h30
  text "5V" at 12355,2995 h30
  text "12V" at 3800,2685 h30
  text "GND" at 12350,2590 h30
  text "ECHO6" at 12355,2520 h30
  text "TRIG6" at 12350,2440 h30
  text "5V" at 12355,2360 h30
  text "12V" at 11825,1800 h30
  text "GND" at 11825,1720 h30
  text "RX" at 6850,1695 h30
  text "TX" at 6925,1695 h30
  text "5V" at 10015,1660 h30 r90
  text "GND" at 9940,1655 h30 r90
  text "MIC" at 11835,1645 h30
  text "12V" at 5015,1335 h30 r90
  text "GND" at 5095,1335 h30 r90
  text "GND" at 5585,1325 h30 r90
  text "12V" at 5505,1320 h30 r90
  text "GND" at 5955,1290 h30
  text "16V" at 6220,1285 h30
  text "GND" at 12115,1210 h30
  text "ECHO5" at 12075,1145 h30
  text "TRIG5" at 12030,1065 h30
  text "5V" at 12015,975 h30
  text "NC" at 1180,720 h30 r90
  text "12V" at 1640,710 h30 r90
  text "GND" at 1015,705 h30 r90
  text "OUT" at 1095,705 h30 r90
  text "PWM" at 1260,700 h30 r90
  text "LED3" at 1730,700 h30 r90
  text "GND" at 11015,670 h30 r90
  text "3V3" at 11115,655 h30 r90
  text "INF8" at 11190,645 h30 r90
  text "GND" at 11525,605 h30 r90
  text "3V3" at 11610,595 h30 r90
  text "INF7" at 11690,585 h30 r90
  text "LCD POWER" at 2750,120 h30
  text "12V" at 10245,110 h30 r90
  text "LED2" at 10330,105 h30 r90
  text "SCL" at 8005,95 h30 r90
  text "3V3" at 7850,90 h30 r90
  text "GND" at 7770,85 h30 r90
  text "SDA" at 7930,85 h30 r90
  text "12V" at 2310,80 h30 r90
  text "LED4" at 2390,65 h30 r90
Mechanical 2:
  drawing of 403 lines, arcs and shapes, not listed
  text "1" at -3925.26,9886.14 h72.92
  text "2" at -1973.16,9886.14 h72.92
  text "3" at -4.66,9886.14 h72.92
  text "4" at 1963.85,9886.14 h72.92
  text "5" at 3932.35,9886.14 h72.92
  text "6" at 5900.85,9886.14 h72.92
  text "7" at 7869.36,9886.14 h72.92
  text "8" at 9837.86,9886.14 h72.92
  text "9" at 11806.37,9886.14 h72.92
  text "10" at 13750.26,9886.14 h72.92
  text "11" at 15726.97,9886.14 h72.92
  text "12" at 17679.07,9886.14 h72.92
  text "A" at -4512.53,8803.47 h72.92
  text "A" at 18282.74,8803.47 h72.92
  text "B" at -4512.53,6834.96 h72.92
  text "B" at 18282.74,6834.96 h72.92
  text "C" at -4512.53,4866.46 h72.92
  text "C" at 18282.74,4866.46 h72.92
  text "D" at -4512.53,2897.95 h72.92
  text "D" at 18282.74,2897.95 h72.92
  text "E" at -4512.53,929.45 h72.92
  text "E" at 18282.74,929.45 h72.92
  text "F" at -4512.53,-1039.05 h72.92
  text "F" at 18282.74,-1039.05 h72.92
  text "G" at -4512.53,-3007.56 h72.92
  text "G" at 18266.4,-3021.13 h72.92
  text "DEBUR AND" at 14245.05,-4077.04 h59.06
  text "UNLESS OTHERWISE SPECIFIED:" at 11067.27,-4080.28 h59.06
  text "FINISH:" at 12397.1,-4080.34 h59.06
  text "DO NOT SCALE DRAWING" at 15477.54,-4134.92 h59.06
  text "REVISION" at 17080.42,-4142.72 h59.06
  text "BREAK SHARP" at 14245.05,-4175.47 h59.06
  text "DIMENSIONS ARE IN MILLIMETERS" at 11067.27,-4178.7 h59.06
  text "EDGES" at 14245.05,-4273.89 h59.06
  text "SURFACE FINISH:" at 11067.27,-4277.13 h59.06
  text "TOLERANCES:" at 11067.27,-4375.55 h59.06
  text "LINEAR:" at 11133.71,-4473.98 h59.06
  text "ANGULAR:" at 11133.71,-4572.4 h59.06
  text "DATE" at 12902.74,-4763.14 h59.06
  text "SIGNATURE" at 12226.32,-4763.71 h59.06
  text "NAME" at 11607.77,-4766.08 h59.06
  text "TITLE:" at 14979.18,-4774.87 h59.06
  text "DRAWN" at 11052.25,-4926.39 h59.06
  text "H" at -4512.53,-4976.06 h72.92
  text "CHK'D" at 11060.06,-5094.71 h59.06
  text "APPV'D" at 11059.71,-5255.74 h59.06
  text "MFG" at 11061.82,-5426.23 h59.06
  text "MATERIAL:" at 13234.68,-5573.78 h59.06
  text "Q.A" at 11070.24,-5598.83 h59.06
  text "DWG NO." at 14983.82,-5617.77 h59.06
  text "power_pcb_asm" at 16552.57,-5627.1 h250
  text "A2" at 18056.53,-5640.14 h114.58
  text "1" at -3925.26,-6058.74 h72.92
  text "2" at -1973.16,-6058.74 h72.92
  text "3" at -4.66,-6058.74 h72.92
  text "4" at 1963.85,-6058.74 h72.92
  text "5" at 3932.35,-6058.74 h72.92
  text "6" at 5900.85,-6058.74 h72.92
  text "7" at 7869.36,-6058.74 h72.92
  text "8" at 9837.86,-6058.74 h72.92
  text "WEIGHT:" at 13233.58,-6087.03 h59
  text "SCALE:1:1" at 14983.82,-6088.97 h59.06
  text "SHEET 1 OF 1" at 16732.02,-6088.97 h59.06
Mechanical 3:
  drawing of 403 lines, arcs and shapes, not listed
  text "1" at -3925.26,9886.14 h72.92
  text "2" at -1973.16,9886.14 h72.92
  text "3" at -4.66,9886.14 h72.92
  text "4" at 1963.85,9886.14 h72.92
  text "5" at 3932.35,9886.14 h72.92
  text "6" at 5900.85,9886.14 h72.92
  text "7" at 7869.36,9886.14 h72.92
  text "8" at 9837.86,9886.14 h72.92
  text "9" at 11806.37,9886.14 h72.92
  text "10" at 13750.26,9886.14 h72.92
  text "11" at 15726.97,9886.14 h72.92
  text "12" at 17679.07,9886.14 h72.92
  text "A" at -4512.53,8803.47 h72.92
  text "A" at 18282.74,8803.47 h72.92
  text "B" at -4512.53,6834.96 h72.92
  text "B" at 18282.74,6834.96 h72.92
  text "C" at -4512.53,4866.46 h72.92
  text "C" at 18282.74,4866.46 h72.92
  text "D" at -4512.53,2897.95 h72.92
  text "D" at 18282.74,2897.95 h72.92
  text "E" at -4512.53,929.45 h72.92
  text "E" at 18282.74,929.45 h72.92
  text "F" at -4512.53,-1039.05 h72.92
  text "F" at 18282.74,-1039.05 h72.92
  text "G" at -4512.53,-3007.56 h72.92
  text "G" at 18266.4,-3021.13 h72.92
  text "DEBUR AND" at 14245.05,-4077.04 h59.06
  text "UNLESS OTHERWISE SPECIFIED:" at 11067.27,-4080.28 h59.06
  text "FINISH:" at 12397.1,-4080.34 h59.06
  text "DO NOT SCALE DRAWING" at 15477.54,-4134.92 h59.06
  text "REVISION" at 17080.42,-4142.72 h59.06
  text "BREAK SHARP" at 14245.05,-4175.47 h59.06
  text "DIMENSIONS ARE IN MILLIMETERS" at 11067.27,-4178.7 h59.06
  text "EDGES" at 14245.05,-4273.89 h59.06
  text "SURFACE FINISH:" at 11067.27,-4277.13 h59.06
  text "TOLERANCES:" at 11067.27,-4375.55 h59.06
  text "LINEAR:" at 11133.71,-4473.98 h59.06
  text "ANGULAR:" at 11133.71,-4572.4 h59.06
  text "DATE" at 12902.74,-4763.14 h59.06
  text "SIGNATURE" at 12226.32,-4763.71 h59.06
  text "NAME" at 11607.77,-4766.08 h59.06
  text "TITLE:" at 14979.18,-4774.87 h59.06
  text "DRAWN" at 11052.25,-4926.39 h59.06
  text "H" at -4512.53,-4976.06 h72.92
  text "CHK'D" at 11060.06,-5094.71 h59.06
  text "APPV'D" at 11059.71,-5255.74 h59.06
  text "MFG" at 11061.82,-5426.23 h59.06
  text "MATERIAL:" at 13234.68,-5573.78 h59.06
  text "Q.A" at 11070.24,-5598.83 h59.06
  text "DWG NO." at 14983.82,-5617.77 h59.06
  text "power_pcb_asm" at 16552.57,-5627.1 h250
  text "A2" at 18056.53,-5640.14 h114.58
  text "1" at -3925.26,-6058.74 h72.92
  text "2" at -1973.16,-6058.74 h72.92
  text "3" at -4.66,-6058.74 h72.92
  text "4" at 1963.85,-6058.74 h72.92
  text "5" at 3932.35,-6058.74 h72.92
  text "6" at 5900.85,-6058.74 h72.92
  text "7" at 7869.36,-6058.74 h72.92
  text "8" at 9837.86,-6058.74 h72.92
  text "WEIGHT:" at 13233.58,-6087.03 h59
  text "SCALE:1:1" at 14983.82,-6088.97 h59.06
  text "SHEET 1 OF 1" at 16732.02,-6088.97 h59.06
Mechanical 4:
  drawing of 153 lines, arcs and shapes, not listed
  text "1" at -3925.26,9886.14 h72.92
  text "2" at -1973.16,9886.14 h72.92
  text "3" at -4.66,9886.14 h72.92
  text "4" at 1963.85,9886.14 h72.92
  text "5" at 3932.35,9886.14 h72.92
  text "6" at 5900.85,9886.14 h72.92
  text "7" at 7869.36,9886.14 h72.92
  text "8" at 9837.86,9886.14 h72.92
  text "9" at 11806.37,9886.14 h72.92
  text "10" at 13750.26,9886.14 h72.92
  text "11" at 15726.97,9886.14 h72.92
  text "12" at 17679.07,9886.14 h72.92
  text "A" at -4512.53,8803.47 h72.92
  text "A" at 18282.74,8803.47 h72.92
  text "B" at -4512.53,6834.96 h72.92
  text "B" at 18282.74,6834.96 h72.92
  text "C" at -4512.53,4866.46 h72.92
  text "C" at 18282.74,4866.46 h72.92
  text "D" at -4512.53,2897.95 h72.92
  text "D" at 18282.74,2897.95 h72.92
  text "E" at -4512.53,929.45 h72.92
  text "E" at 18282.74,929.45 h72.92
  text "F" at -4512.53,-1039.05 h72.92
  text "F" at 18282.74,-1039.05 h72.92
  text "G" at -4512.53,-3007.56 h72.92
  text "G" at 18266.4,-3021.13 h72.92
  text "DEBUR AND" at 14245.05,-4077.04 h59.06
  text "UNLESS OTHERWISE SPECIFIED:" at 11067.27,-4080.28 h59.06
  text "FINISH:" at 12397.1,-4080.34 h59.06
  text "DO NOT SCALE DRAWING" at 15477.54,-4134.92 h59.06
  text "REVISION" at 17080.42,-4142.72 h59.06
  text "BREAK SHARP" at 14245.05,-4175.47 h59.06
  text "DIMENSIONS ARE IN MILLIMETERS" at 11067.27,-4178.7 h59.06
  text "EDGES" at 14245.05,-4273.89 h59.06
  text "SURFACE FINISH:" at 11067.27,-4277.13 h59.06
  text "TOLERANCES:" at 11067.27,-4375.55 h59.06
  text "LINEAR:" at 11133.71,-4473.98 h59.06
  text "ANGULAR:" at 11133.71,-4572.4 h59.06
  text "DATE" at 12902.74,-4763.14 h59.06
  text "SIGNATURE" at 12226.32,-4763.71 h59.06
  text "NAME" at 11607.77,-4766.08 h59.06
  text "TITLE:" at 14979.18,-4774.87 h59.06
  text "DRAWN" at 11052.25,-4926.39 h59.06
  text "H" at -4512.53,-4976.06 h72.92
  text "CHK'D" at 11060.06,-5094.71 h59.06
  text "APPV'D" at 11059.71,-5255.74 h59.06
  text "MFG" at 11061.82,-5426.23 h59.06
  text "MATERIAL:" at 13234.68,-5573.78 h59.06
  text "Q.A" at 11070.24,-5598.83 h59.06
  text "DWG NO." at 14983.82,-5617.77 h59.06
  text "power_pcb_asm" at 16552.57,-5627.1 h250
  text "A2" at 18056.53,-5640.14 h114.58
  text "1" at -3925.26,-6058.74 h72.92
  text "2" at -1973.16,-6058.74 h72.92
  text "3" at -4.66,-6058.74 h72.92
  text "4" at 1963.85,-6058.74 h72.92
  text "5" at 3932.35,-6058.74 h72.92
  text "6" at 5900.85,-6058.74 h72.92
  text "7" at 7869.36,-6058.74 h72.92
  text "8" at 9837.86,-6058.74 h72.92
  text "WEIGHT:" at 13233.58,-6087.03 h59
  text "SCALE:1:1" at 14983.82,-6088.97 h59.06
  text "SHEET 1 OF 1" at 16732.02,-6088.97 h59.06

## Text inside footprints (layer, text, board x,y; h text height)
U1: Mechanical 13 "*" at 1102,3200 h50
U3: Mechanical 13 "*" at 1678,2948 h50 r270
U4: Mechanical 13 "*" at 3465.5,3420.5 h50
U5: Mechanical 13 "*" at 7955.98,5644 h50 r270